# Altium PCB PWM_Controller_Full_Bridge_TL494.PcbDoc
Units mm, origin at the board's own origin, x right, y up, seen from the top; angles counter-clockwise.
Board outline 90 x 70 mm, 2 copper layers (Top Layer, Bottom Layer), stack 1.071 mm thick; 165 components, 72 nets, 394 pads, 70 vias.
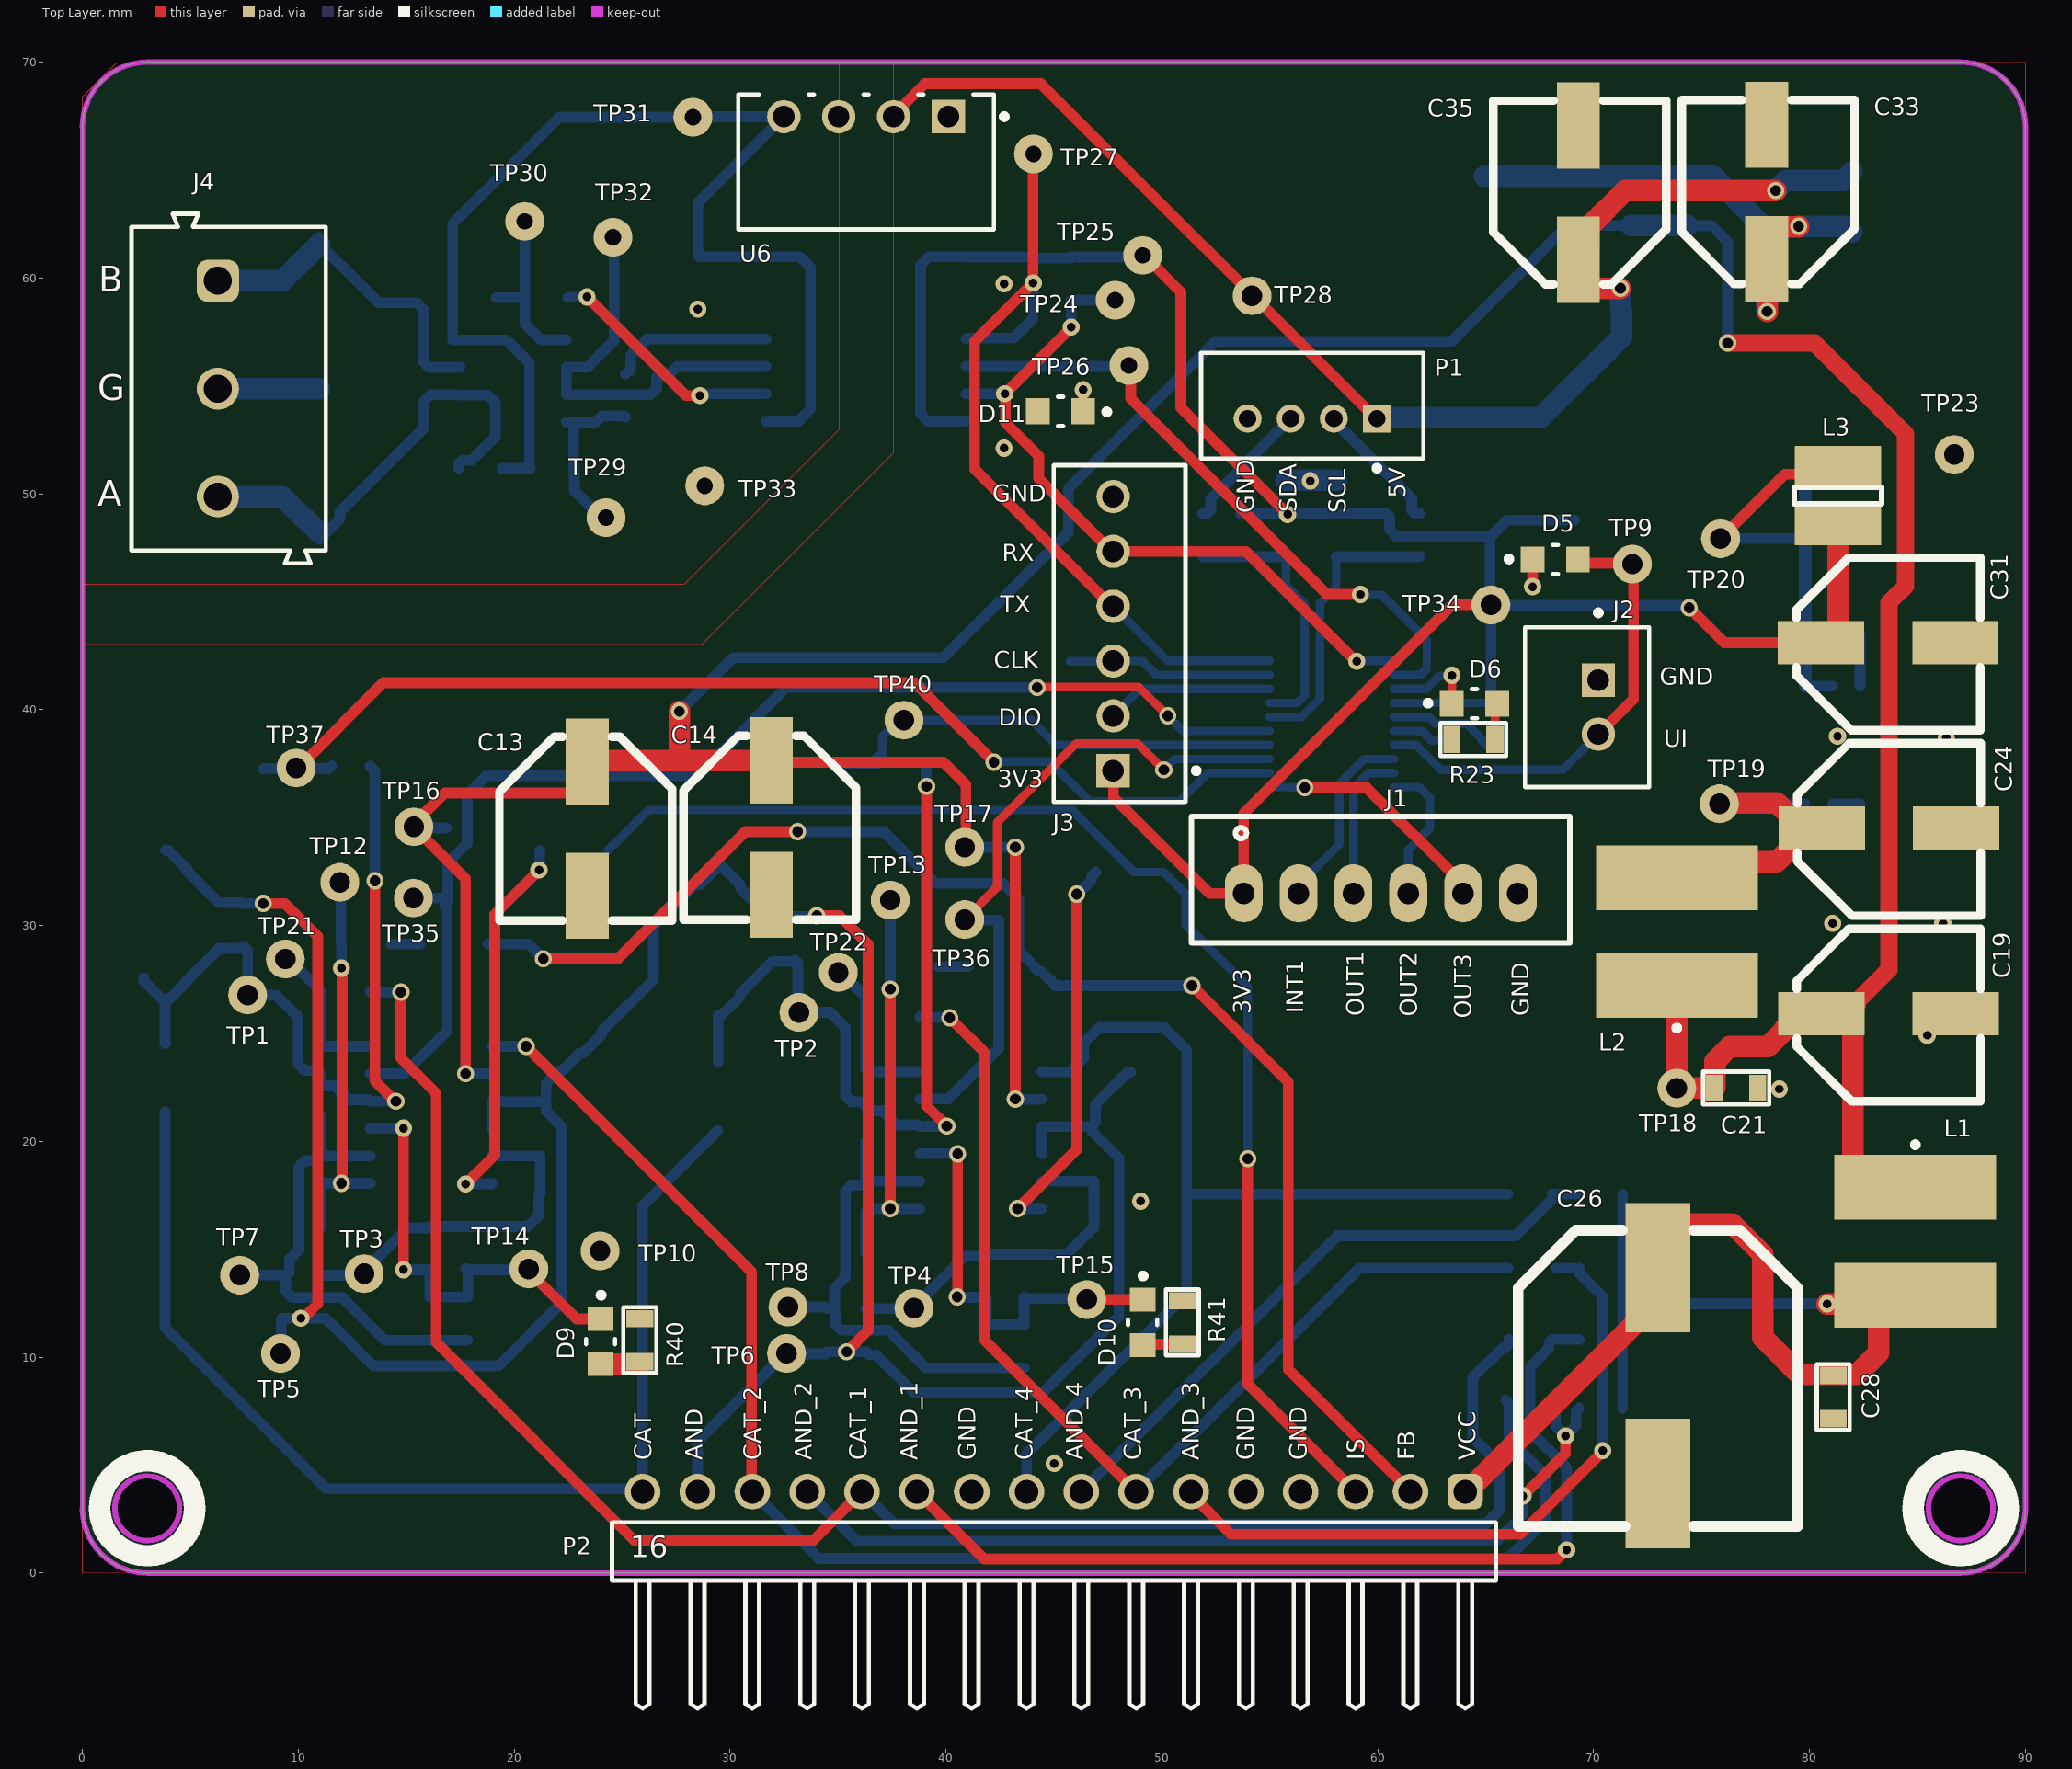
[diagram p0: Top Layer view]
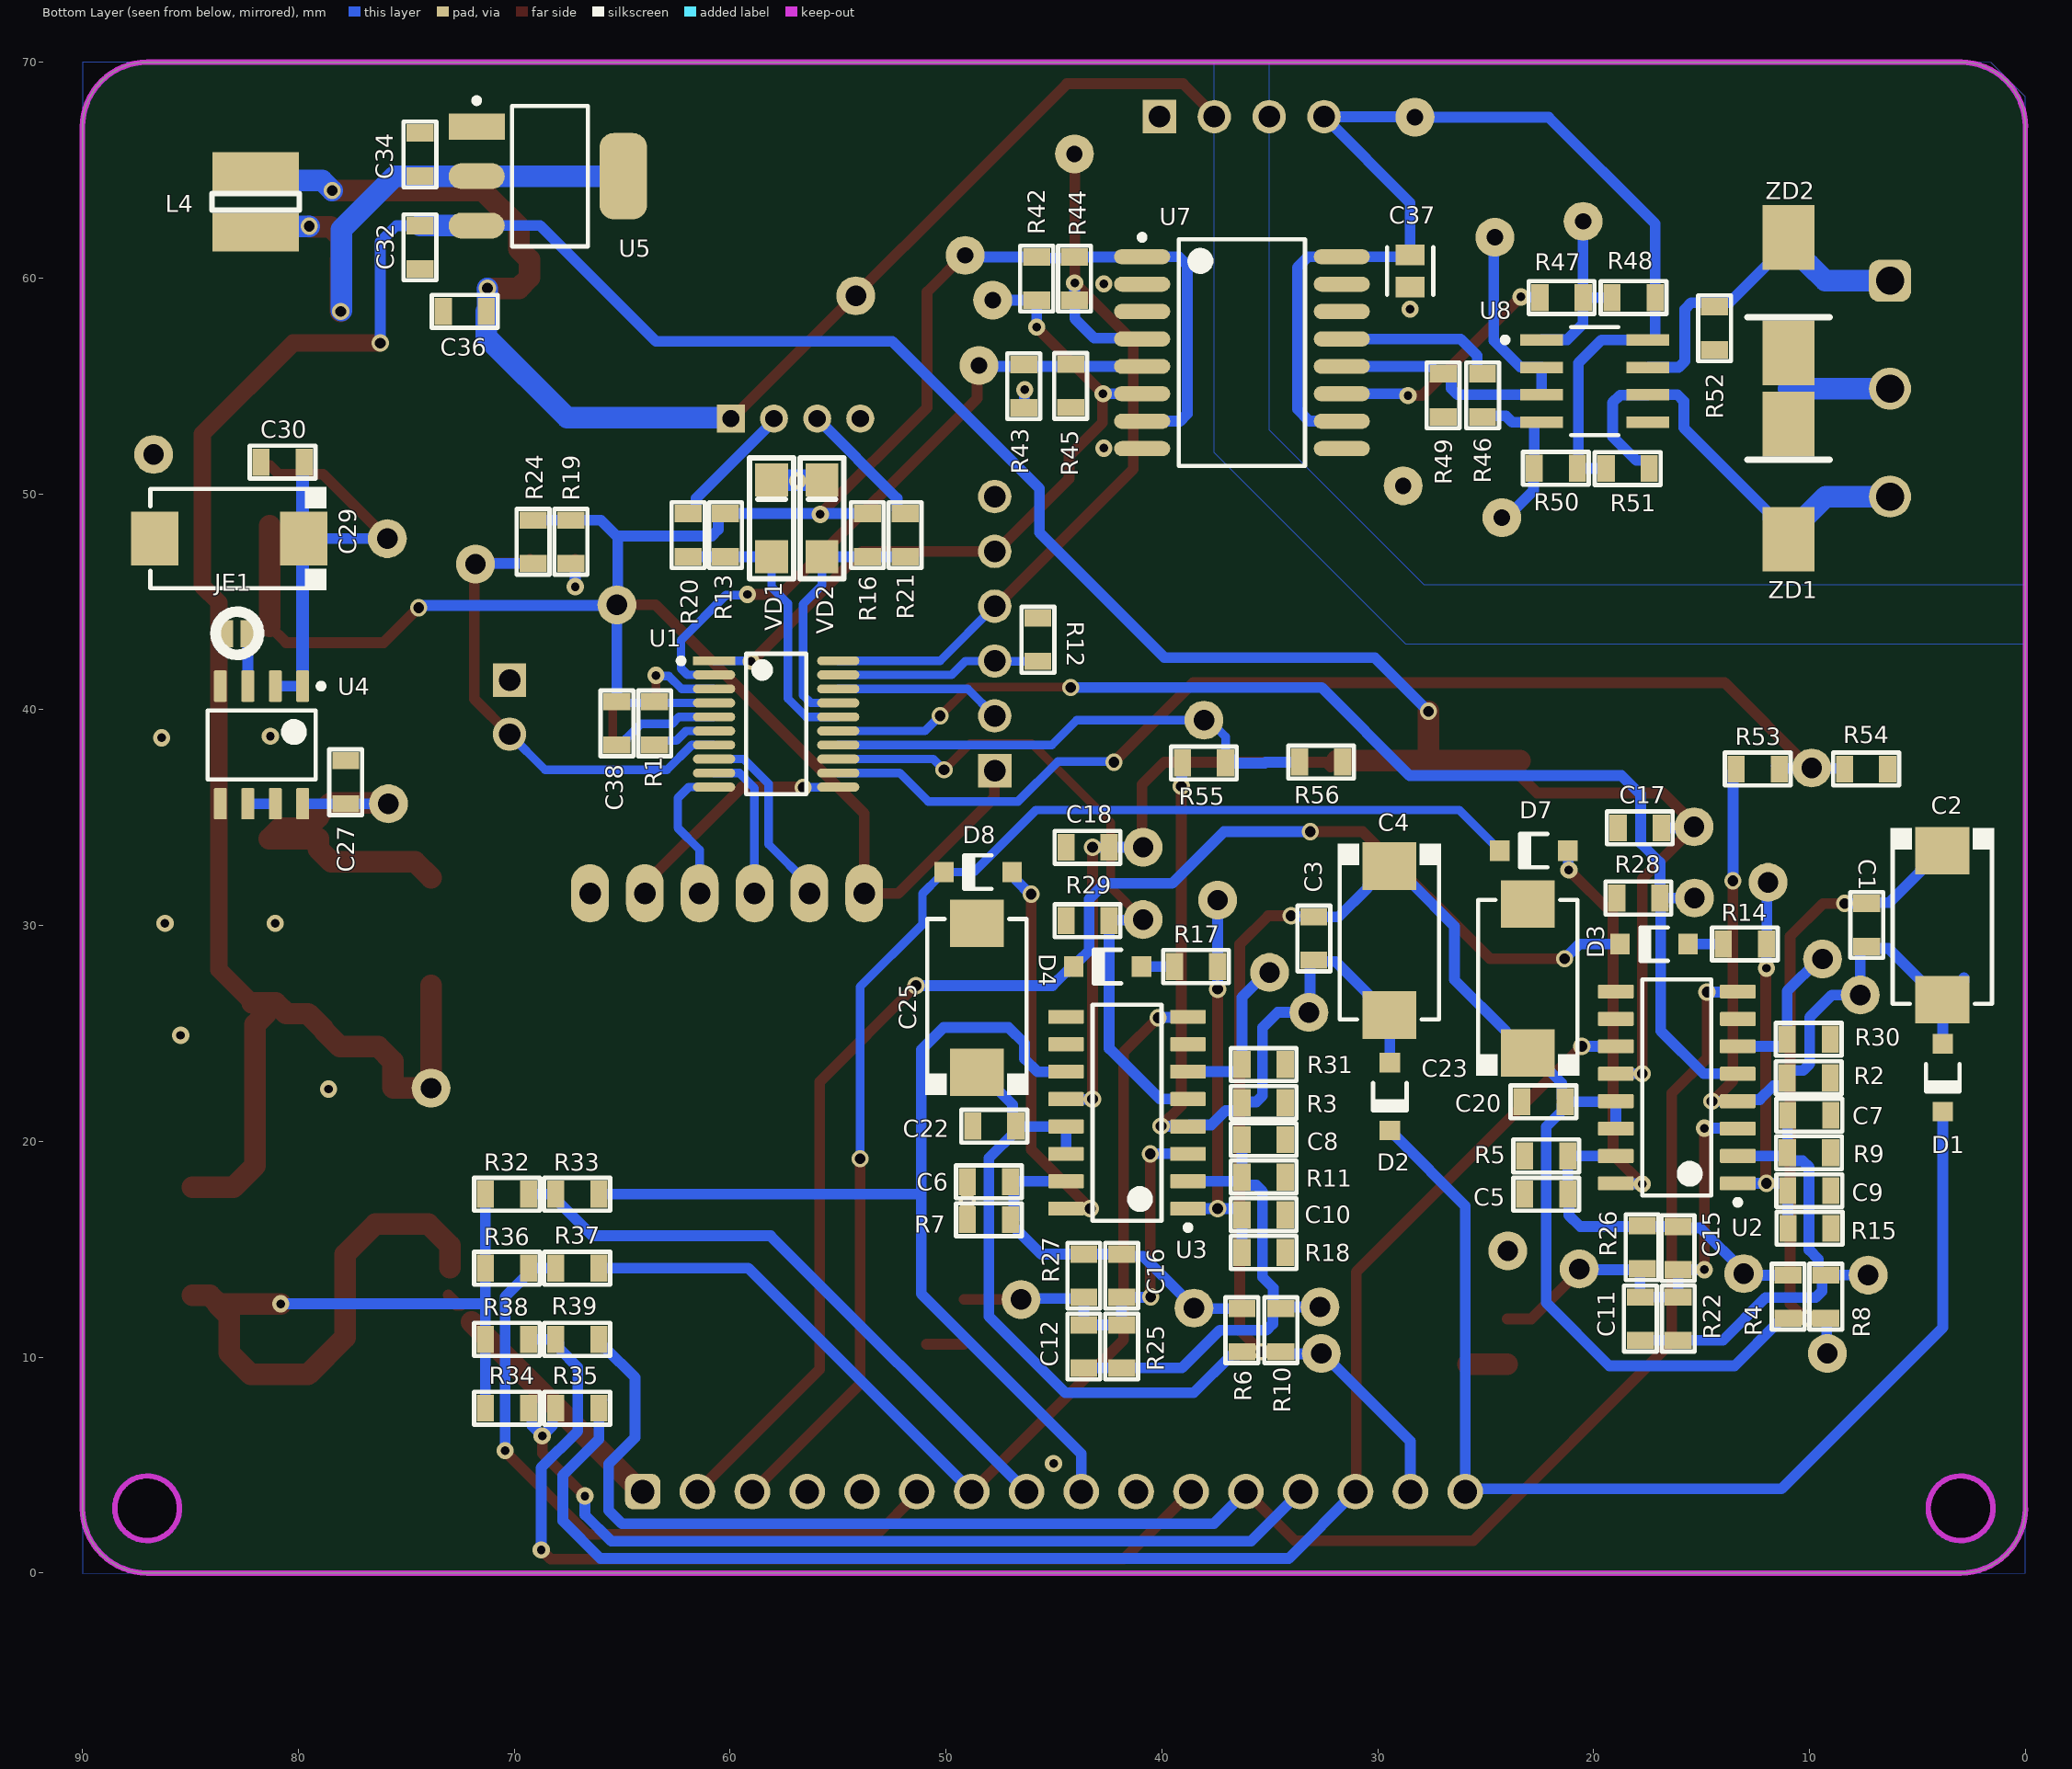
[diagram p1: Bottom Layer view, seen from below]
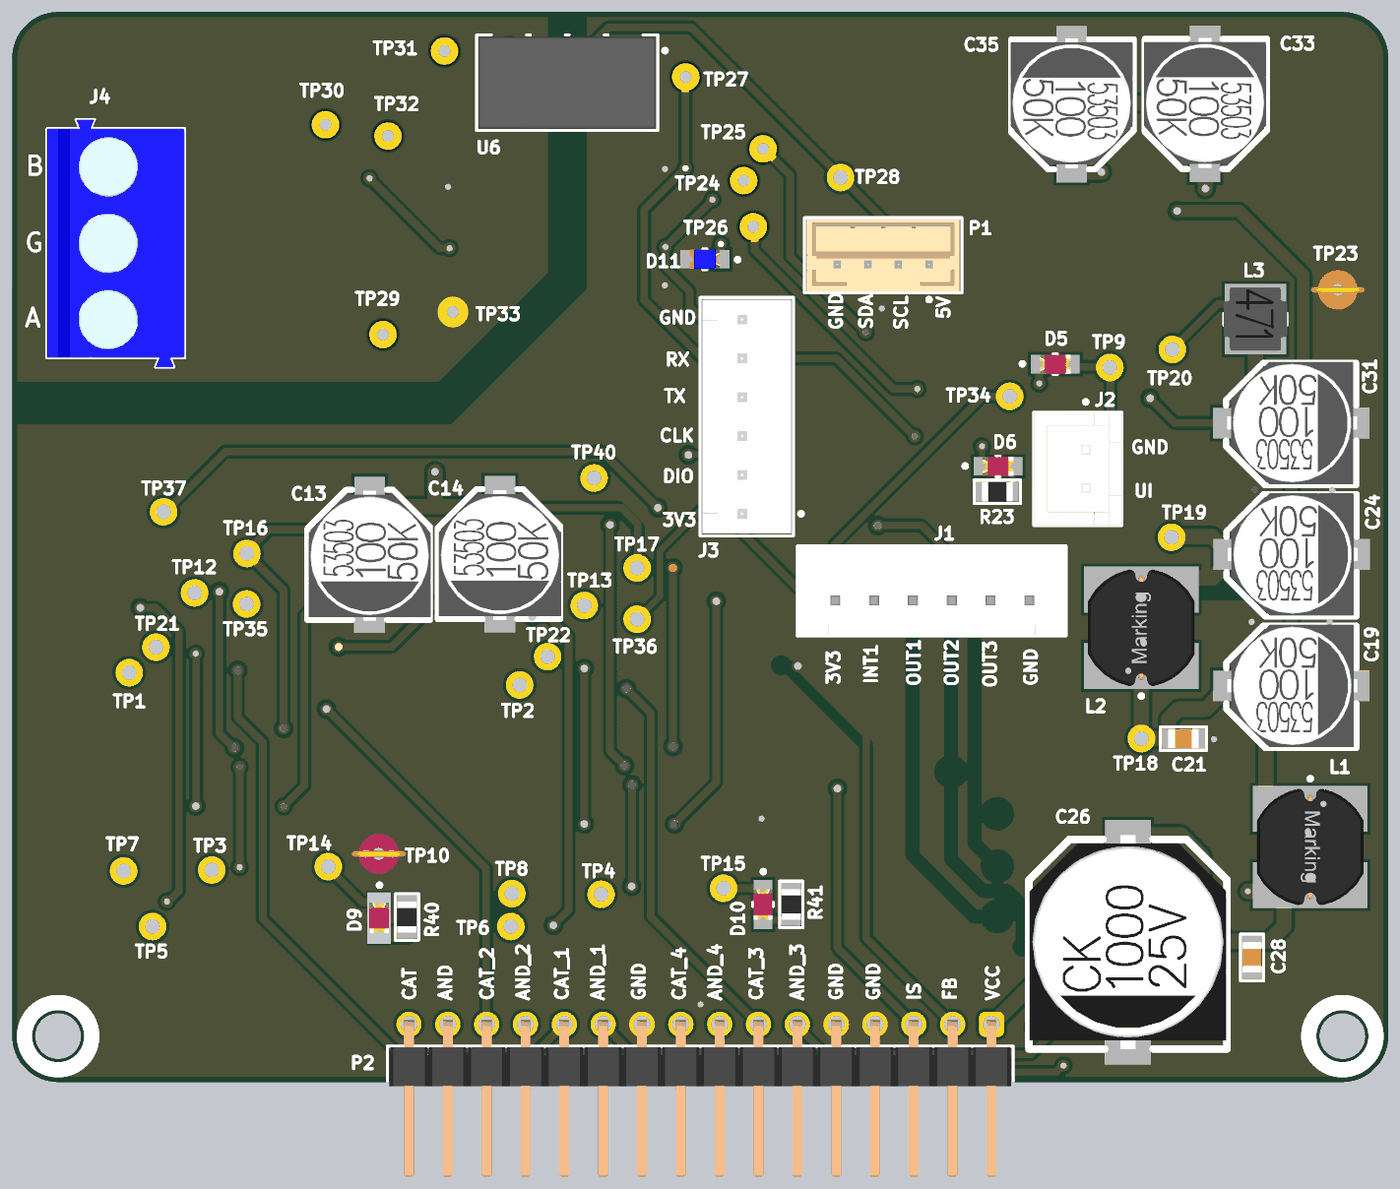
[diagram p2: 3D render of the assembled board from above, using the file's embedded part models]
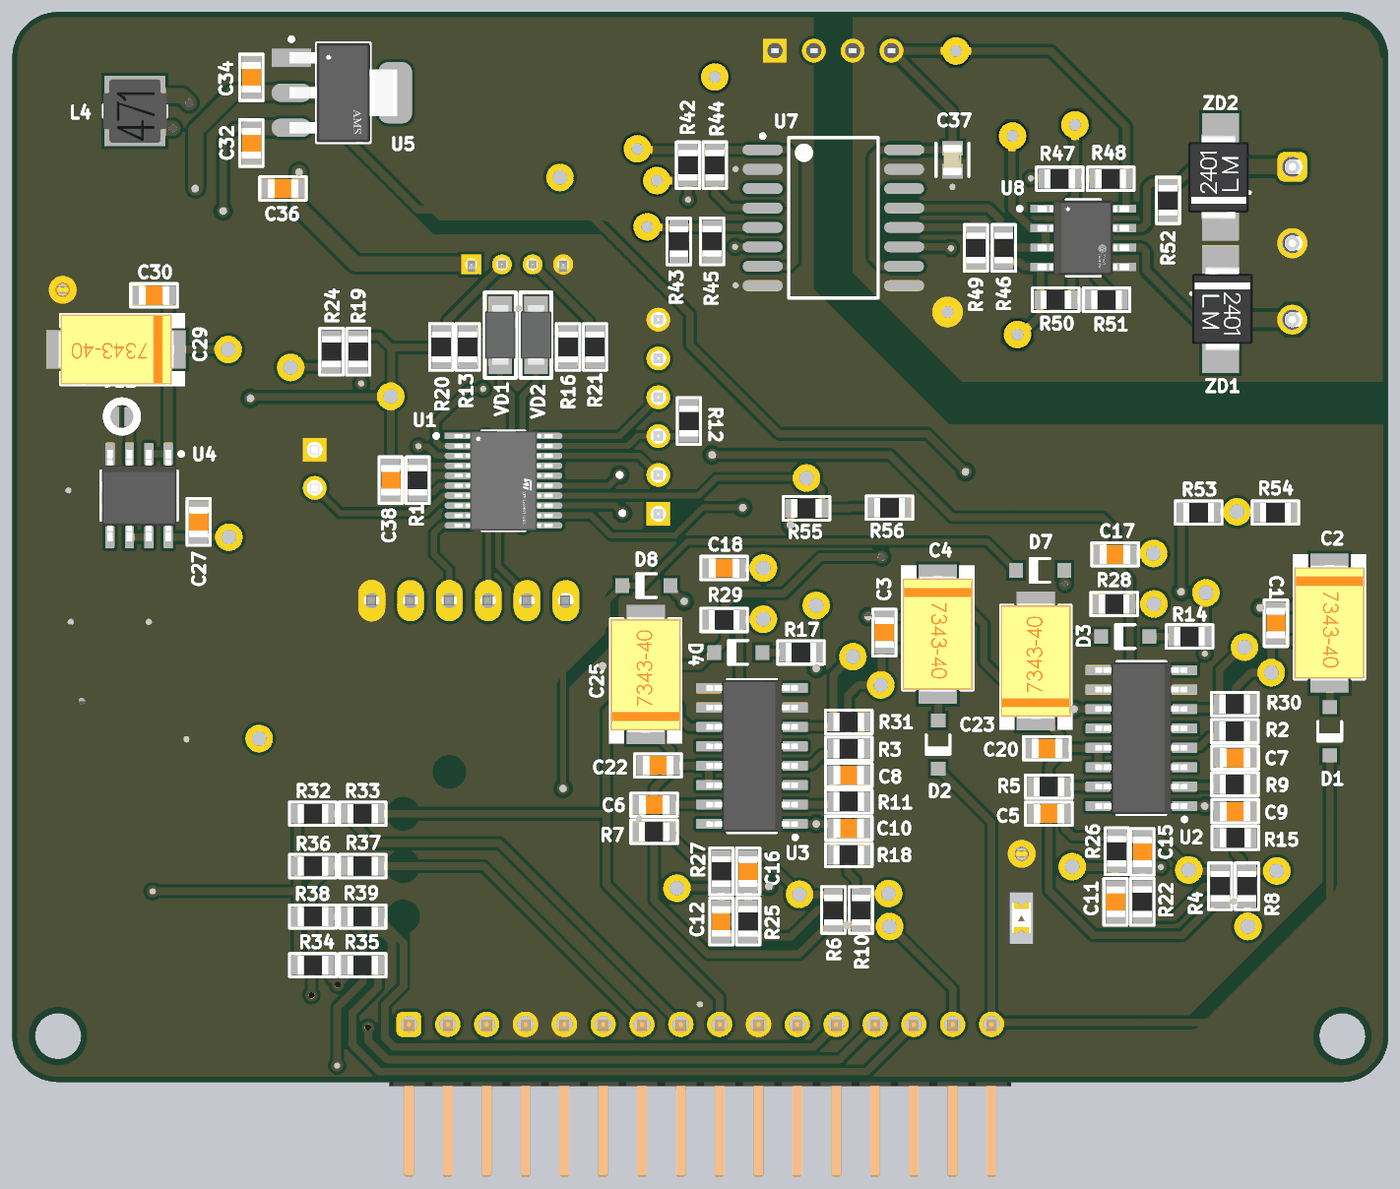
[diagram p3: 3D render of the assembled board from below, using the file's embedded part models]

## Layer stack, top to bottom
Top Solder: solder mask 0.0102, Solder Resist, Dk 3.5
Top Layer: signal copper 0.0356
Dielectric 1: dielectric 1, FR-4, Dk 4.8
Bottom Layer: signal copper 0.0356
Bottom Solder: solder mask 0.0102, Solder Resist, Dk 3.5

## Board outline
0,3 0.006,67 0,67 cw(c3,67) 3,70 87,70 cw(c87,67) 90,67 90,3.05 90,3 cw(c87,3) 87,0 2.999,0 3,0 cw(c3,3)
cut-out: 85.5,3 ccw(c87,3) 87,1.5 ccw(c87,3) 88.5,3 ccw(c87,3) 87,4.5 ccw(c87,3)
cut-out: 1.5,3 ccw(c3,3) 3,1.5 ccw(c3,3) 4.5,3 ccw(c3,3) 3,4.5 ccw(c3,3)

## Design rules (kind name [scope] priority, off if disabled: settings)
Clearance [All] p1: gap=0.2 ignorepadtopadclearanceinfootprint=FALSE except(0.4: Fill-Fill Fill-Poly Fill-Region Fill-Text Fill-Hole Poly-Poly Poly-Region Poly-Text Poly-Hole Region-Region Region-Text Region-Hole)
ComponentClearance [All] p1: gap=-3 collisioncheckmode=3 verticalgap=0.254 showdistances=FALSE
DiffPairsRouting [All] p1: maxlimit=0.254 minlimit=0.254 mostfreqgap=0.254 substack1={A23D90DD-733B-49C5-8102-56B3D284E3A0} toplayer_{a23d90dd-733b-49c5-8102-56b3d284e3a0}_minwidth=0.381 toplayer_{a23d90dd-733b-49c5-8102-56b3d284e3a0}_maxwidth=0.381 toplayer_{a23d90dd-733b-49c5-8102-56b3d284e3a0}_prefwidth=0.381 bottomlayer_{a23d90dd-733b-49c5-8102-56b3d284e3a0}_minwidth=0.381 bottomlayer_{a23d90dd-733b-49c5-8102-56b3d284e3a0}_maxwidth=0.381 bottomlayer_{a23d90dd-733b-49c5-8102-56b3d284e3a0}_prefwidth=0.381 toplayer_minwidth=0.381 toplayer_maxwidth=0.381 toplayer_prefwidth=0.381 bottomlayer_minwidth=0.381 bottomlayer_maxwidth=0.381 bottomlayer_prefwidth=0.381 substack2={0B3DB408-A969-412D-8C07-BA8AE97219D9} toplayer_{0b3db408-a969-412d-8c07-ba8ae97219d9}_minwidth=0.381 toplayer_{0b3db408-a969-412d-8c07-ba8ae97219d9}_maxwidth=0.381 toplayer_{0b3db408-a969-412d-8c07-ba8ae97219d9}_prefwidth=0.381 bottomlayer_{0b3db408-a969-412d-8c07-ba8ae97219d9}_minwidth=0.381 bottomlayer_{0b3db408-a969-412d-8c07-ba8ae97219d9}_maxwidth=0.381 bottomlayer_{0b3db408-a969-412d-8c07-ba8ae97219d9}_prefwidth=0.381 substack3={378827E6-B38F-4565-9D2F-710D8D441C30} toplayer_{378827e6-b38f-4565-9d2f-710d8d441c30}_minwidth=0.381 toplayer_{378827e6-b38f-4565-9d2f-710d8d441c30}_maxwidth=0.381 toplayer_{378827e6-b38f-4565-9d2f-710d8d441c30}_prefwidth=0.381 bottomlayer_{378827e6-b38f-4565-9d2f-710d8d441c30}_minwidth=0.381 bottomlayer_{378827e6-b38f-4565-9d2f-710d8d441c30}_maxwidth=0.381 bottomlayer_{378827e6-b38f-4565-9d2f-710d8d441c30}_prefwidth=0.381 substack4={1E65D4A7-266F-4925-B814-5E9C4A66F8EE} toplayer_{1e65d4a7-266f-4925-b814-5e9c4a66f8ee}_minwidth=0.381 toplayer_{1e65d4a7-266f-4925-b814-5e9c4a66f8ee}_maxwidth=0.381 toplayer_{1e65d4a7-266f-4925-b814-5e9c4a66f8ee}_prefwidth=0.381 bottomlayer_{1e65d4a7-266f-4925-b814-5e9c4a66f8ee}_minwidth=0.381 bottomlayer_{1e65d4a7-266f-4925-b814-5e9c4a66f8ee}_maxwidth=0.381 bottomlayer_{1e65d4a7-266f-4925-b814-5e9c4a66f8ee}_prefwidth=0.381 substack5={93C5D03E-862D-45F8-9871-970EEA9B3F11} toplayer_{93c5d03e-862d-45f8-9871-970eea9b3f11}_minwidth=0.381 toplayer_{93c5d03e-862d-45f8-9871-970eea9b3f11}_maxwidth=0.381 toplayer_{93c5d03e-862d-45f8-9871-970eea9b3f11}_prefwidth=0.381 bottomlayer_{93c5d03e-862d-45f8-9871-970eea9b3f11}_minwidth=0.381 bottomlayer_{93c5d03e-862d-45f8-9871-970eea9b3f11}_maxwidth=0.381 bottomlayer_{93c5d03e-862d-45f8-9871-970eea9b3f11}_prefwidth=0.381 maxuncoupledlength=12.7
Height [All] p1: minheight=0 maxheight=50 prefheight=33
HoleSize [All] p1: absolutevalues=TRUE maxlimit=6 minlimit=0.01 maxpercent=80.000 minpercent=20.000
HoleToHoleClearance [All] p1: gap=0.1 allowstackedmicrovias=TRUE
MinimumSolderMaskSliver [All] p1: minsoldermaskwidth=0.1
PlaneClearance [All] p1: clearance=0.7
PlaneConnect [All] p1: planeconnectstyle=Direct reliefexpansion=0.5 reliefentries=4 reliefconductorwidth=0.5 reliefairgap=0.15
PolygonConnect VQFN20 [HasFootprint('VQFN20')] p1: connectstyle=Direct reliefconductorwidth=0.254 reliefentries=4 polygonreliefangle="90 Angle" airgapwidth=0.254
PolygonConnect [All] p2: connectstyle=Direct reliefconductorwidth=0.3 reliefentries=4 polygonreliefangle="90 Angle" airgapwidth=0.15
RoutingVias [All] p1: holewidth=0.1 width=0.1 viastyle="Through Hole" minholewidth=0 minwidth=0.3 maxholewidth=2 maxwidth=4
ShortCircuit [All] p1: allowed=TRUE
SilkToSolderMaskClearance [IsPad] p1: minsilkscreentomaskgap=0.1 clearancetoexposedcopper=TRUE
SolderMaskExpansion SolderMaskExpansion_Via [IsVia] p1: expansion=0.102 istentingtop=TRUE useseparateexpansions=TRUE expansionbottom=0.102 istentingbottom=TRUE
SolderMaskExpansion [All] p2: expansion=0.01 istentingtop=FALSE
UnRoutedNet [All] p1: checkbadconnections=TRUE
Width [All] p1: maxlimit=5 minlimit=0.2 preferedwidth=0.3 substack1={A23D90DD-733B-49C5-8102-56B3D284E3A0} substack2={0B3DB408-A969-412D-8C07-BA8AE97219D9} substack3={378827E6-B38F-4565-9D2F-710D8D441C30} substack4={1E65D4A7-266F-4925-B814-5E9C4A66F8EE} substack5={93C5D03E-862D-45F8-9871-970EEA9B3F11}
19 further rules are at their usual default settings.

## Components (designator, comment, footprint, x,y, rotation, side; value= is the part's Value field where it differs from the comment)
C1 "CAP-NON-POLAR" CAP-0805 7.35,30.022 r90 bottom
C2 "CAP-POLAR" CAP-TAN-D 3.85,30.022 r270 bottom
C3 "CAP-NON-POLAR" CAP-0805 32.965,29.4 r90 bottom
C4 "CAP-POLAR" CAP-TAN-D 29.465,29.3 r270 bottom
C5 "CAP-NON-POLAR" CAP-0805 22.2,17.553 r180 bottom
C6 "CAP-NON-POLAR" CAP-0805 48.015,18.128 r180 bottom
C7 "CAP-NON-POLAR" CAP-0805 10.013,21.21 r0 bottom
C8 "CAP-NON-POLAR" CAP-0805 35.29,20.08 r0 bottom
C9 "CAP-NON-POLAR" CAP-0805 10.013,17.716 r0 bottom
C10 "CAP-NON-POLAR" CAP-0805 35.29,16.604 r0 bottom
C11 "2.2nF 16V" CAP-0805 17.837,11.787 r270 bottom
C12 "2.2nF 16V" CAP-0805 43.615,10.5 r270 bottom
C13 "CAP-POLAR" CAP_SMD_Size_E 23.375,34.425 r90 top
C14 "CAP-POLAR" CAP_SMD_Size_E 31.9,34.47 r90 top
C15 "2.2nF 16V" CAP-0805 16.09,15.055 r90 bottom
C16 "2.2nF 16V" CAP-0805 41.865,13.775 r90 bottom
C17 "0.1uF" CAP-0805 17.867,34.522 r180 bottom
C18 "0.1uF" CAP-0805 43.44,33.625 r180 bottom
C19 "CAP-POLAR" CAP_SMD_Size_E 83.727,25.916 r180 top
C20 "0.1uF" CAP-0805 22.325,21.835 r180 bottom
C21 "0.1uF" CAP-0805 76.602,22.466 r180 top
C22 "0.1uF" CAP-0805 47.763,20.705 r180 bottom
C23 "CAP-POLAR" CAP-TAN-D 23.05,27.542 r90 bottom
C24 "CAP-POLAR" CAP_SMD_Size_E 83.741,34.516 r180 top
C25 "CAP-POLAR" CAP-TAN-D 48.565,26.65 r90 bottom
C26 "25V_1000uF" CAP_SMD_SIZE_H 72.975,9.15 r90 top
C27 "0.1uF" CAP-0805 77.802,36.641 r270 bottom
C28 "0.1uF" CAP-0805 81.1,8.15 r90 top
C29 "CAP-POLAR" CAP-TAN-D 83.202,47.926 r0 bottom
C30 "0.1uF" CAP-0805 80.727,51.466 r180 bottom
C31 "CAP-POLAR" CAP_SMD_Size_E 83.71,43.109 r180 top
C32 "0.1uF" CAP-0805 74.366,61.425 r90 bottom
C33 "CAP-POLAR" CAP_SMD_Size_E 78.016,64.05 r270 top
C34 "0.1uF" CAP-0805 74.366,65.725 r270 bottom
C35 "CAP-POLAR" CAP_SMD_Size_E 69.291,64.025 r270 top
C36 "0.1uF" CAP-0805 72.291,58.455 r180 bottom
C37 "C0805C224K5RACTU" FP-C0805C-DN-MFG 28.5,60.325 r270 bottom value="0.22 μF"
C38 "0.1uF" CAP-0805 65.242,39.369 r90 bottom
D1 "1N4148W-7-F" DIOD-SOD123-2_V 3.825,22.947 r270 bottom
D2 "1N4148W-7-F" DIOD-SOD123-2_V 29.44,22.075 r270 bottom
D3 "1N4148W-7-F" DIOD-SOD123-2_V 17.202,29.139 r0 bottom
D4 "1N4148W-7-F" DIOD-SOD123-2_V 42.515,28.1 r0 bottom
D5 "151031YS06000" LED_RED 68.224,46.957 r0 top
D6 "151031YS06000" LED_RED 64.48,40.278 r0 top
D7 "1N4148W" DIOD-SOD123-2_V 22.775,33.472 r0 bottom
D8 "1N4148W" DIOD-SOD123-2_V 48.515,32.475 r0 bottom
D9 "RED" LED_RED 24,10.725 r270 top
D10 "RED" LED_RED 49.104,11.614 r270 top
D11 "LED" LED_BLUE 45.3,53.825 r180 top
J1 "B6B-XH-TW" B6B-XH-TW 60.14,32.124 r0 top
J2 "B2B-XH-A" B2B-XH-A 69.692,40.116 r270 top
J3 "SWR25X-NRTC-S06-ST-BA" Sullins_SWR25X-NRTC-S06-ST-BA_MFG 48.042,43.524 r90 top
J4 "" 691101710003 6.775,54.875 r270 top
JE1 "Jumper" JE 82.827,43.541 r270 bottom
L1 "47µH, 1.17A" WE-PD2_7850 84.9,15.375 r270 top
L2 "1000µH, 0.3A" WE-PD2_7850 73.852,29.716 r90 top
L3 "Coil" Coil_4.5x4.5_mm 81.316,49.916 r270 top
L4 "Coil" Coil_4.5x4.5_mm 81.975,63.525 r90 bottom
P1 "62000411622" 62000411622 56.967,54.089 r0 top
P2 "61301611021" 61301611021 45,1 r0 top locked
R1 "10K" RES-0805 63.492,39.369 r270 bottom
R2 "10K" RES-0805 10.036,22.947 r180 bottom
R3 "10K" RES-0805 35.29,21.8 r180 bottom
R4 "2K**" RES-0805 10.993,12.805 r90 bottom
R5 "2K" RES-0805 22.2,19.323 r0 bottom
R6 "2K**" RES-0805 36.29,11.25 r90 bottom
R7 "2K" RES-0805 48.015,16.372 r0 bottom
R8 "10K**" RES-0805 9.243,12.805 r90 bottom
R9 "2K" RES-0805 10.025,19.472 r180 bottom
R10 "10K**" RES-0805 34.49,11.25 r90 bottom
R11 "2K" RES-0805 35.29,18.35 r180 bottom
R12 "10K" RES-0805 45.742,43.239 r90 bottom
R13 "10K" RES-0805 60.213,48.089 r90 bottom
R14 "2K" RES-0805 13,29.148 r180 bottom
R15 "2K" RES-0805 10,15.972 r180 bottom
R16 "10K" RES-0805 53.642,48.089 r90 bottom
R17 "2K" RES-0805 38.415,28.1 r180 bottom
R18 "2K" RES-0805 35.29,14.85 r180 bottom
R19 "220" RES-0805 67.374,47.782 r90 bottom
R20 "10E" RES-0805 61.942,48.089 r90 bottom
R21 "10E" RES-0805 51.892,48.089 r90 bottom
R22 "1M" RES-0805 16.084,11.787 r90 bottom
R23 "220" RES-0805 64.43,38.614 r180 top
R24 "10K" RES-0805 69.124,47.782 r270 bottom
R25 "1M" RES-0805 41.865,10.5 r90 bottom
R26 "1M" RES-0805 17.75,15.097 r270 bottom
R27 "1M" RES-0805 43.615,13.775 r270 bottom
R28 "10K" RES-0805 17.928,31.272 r0 bottom
R29 "10K" RES-0805 43.44,30.225 r0 bottom
R30 "10K" RES-0805 10.036,24.727 r180 bottom
R31 "10K" RES-0805 35.29,23.555 r180 bottom
R32 "3K" RES-0805 70.335,17.551 r0 bottom
R33 "1K" RES-0805 67.08,17.551 r0 bottom
R34 "3K" RES-0805 70.335,7.64 r0 bottom
R35 "1K" RES-0805 67.08,7.64 r0 bottom
R36 "3K" RES-0805 70.335,14.121 r0 bottom
R37 "1K" RES-0805 67.08,14.121 r0 bottom
R38 "3K" RES-0805 70.335,10.826 r0 bottom
R39 "1K" RES-0805 67.08,10.826 r0 bottom
R40 "330" RES-0805 25.82,10.788 r270 top
R41 "330" RES-0805 50.95,11.614 r270 top
R42 "10K" RES-0805 45.8,59.975 r90 bottom
R43 "220" RES-0805 46.4,54.986 r90 bottom
R44 "10K" RES-0805 44.05,59.975 r90 bottom
R45 "10K" RES-0805 44.225,55 r90 bottom
R46 "100" RES-0805 25.148,54.564 r90 bottom
R47 "100" RES-0805 21.49,59.093 r0 bottom
R48 "10K" RES-0805 18.15,59.093 r180 bottom
R49 "10K" RES-0805 26.975,54.564 r90 bottom
R50 "10K" RES-0805 21.75,51.181 r180 bottom
R51 "10K" RES-0805 18.425,51.175 r0 bottom
R52 "10K" RES-0805 14.4,57.675 r90 bottom
R53 "4.7K" RES-0805 12.4,37.25 r0 bottom
R54 "1K" RES-0805 7.379,37.25 r0 bottom
R55 "4.7K" RES-0805 38.051,37.528 r0 bottom
R56 "1K" RES-0805 32.622,37.57 r0 bottom
TP1 "" Test_Point#1 7.65,26.781 r90 top
TP2 "" Test_Point#1 33.19,25.975 r90 top
TP3 "" Test_Point#1 13.05,13.871 r90 top
TP4 "" Test_Point#1 38.515,12.275 r90 top
TP5 "" Test_Point#1 9.175,10.172 r90 top
TP6 "" Test_Point#1 32.615,10.172 r90 top
TP7 "" Test_Point#1 7.286,13.805 r90 top
TP8 "" Test_Point#1 32.677,12.325 r90 top
TP9 "Test_Point_PCB" Test_Point#1 71.792,46.748 r0 top
TP10 "Test_Point_PCB" Pin_Test_Point(Pink) 23.975,14.925 r90 top
TP12 "" Test_Point#1 11.925,32 r90 top
TP13 "" Test_Point#1 37.415,31.175 r180 top
TP14 "" Test_Point#1 20.67,14.088 r90 top
TP15 "" Test_Point#1 46.525,12.674 r180 top
TP16 "" Test_Point#1 15.349,34.575 r90 top
TP17 "" Test_Point#1 40.872,33.625 r180 top
TP18 "Test_Point_PCB" Test_Point#1 73.852,22.466 r180 top
TP19 "Test_Point_PCB" Test_Point#1 75.827,35.641 r180 top
TP20 "Test_Point_PCB" Test_Point#1 75.877,47.926 r180 top
TP21 "" Test_Point#1 9.4,28.447 r90 top
TP22 "" Test_Point#1 35.015,27.825 r180 top
TP23 "Test_Point_PCB" Pin_Test_Point(Orange) 86.7,51.825 r90 top
TP24 "Test_Point_PCB" Test_Point#2 47.839,58.975 r90 top
TP25 "" Test_Point#2 49.111,61.05 r90 top
TP26 "Test_Point_PCB" Test_Point#2 48.475,55.95 r90 top
TP27 "Test_Point_PCB" Test_Point#2 44.05,65.75 r90 top
TP28 "Test_Point_PCB" Test_Point#1 54.175,59.175 r90 top
TP29 "Test_Point_PCB" Test_Point#2 24.25,48.9 r90 top
TP30 "" Test_Point#2 20.49,62.625 r90 top
TP31 "Test_Point_PCB" Test_Point#2 28.275,67.45 r90 top
TP32 "Test_Point_PCB" Test_Point#2 24.575,61.886 r90 top
TP33 "Test_Point_PCB" Test_Point#2 28.825,50.375 r90 top
TP34 "" Test_Point#1 65.242,44.857 r90 top
TP35 "Test_Point_PCB" Test_Point#1 15.328,31.272 r180 top
TP36 "Test_Point_PCB" Test_Point#1 40.872,30.275 r180 top
TP37 "Test_Point_PCB" Test_Point#1 9.9,37.3 r0 top
TP40 "Test_Point_PCB" Test_Point#1 38.051,39.516 r0 top
U1 "STM32G030F6P6" FP-TSSOP20-YA-IPC_A 57.867,39.339 r180 bottom
U2 "TL494" SOIC-16-M 16.15,22.497 r0 bottom
U3 "TL494" SOIC-16-M 41.615,21.325 r0 bottom
U4 "LP2951ACM-3.3" D0008A_N 81.702,38.366 r270 bottom
U5 "AMS1117" SOT-223 68.345,64.719 r270 bottom
U6 "B0505S-1W" B0505S-1W 36.3,65.375 r180 top
U7 "ADUM1401BRWZ" ADI-RW-16_M 36.292,56.541 r180 bottom
U8 "MAX485" SOIC-8-MFG 19.95,55.225 r180 bottom
VD1 "SMF3.3A" SMF3.3A 58.079,48.864 r180 bottom
VD2 "SMF3.3A" SMF3.3A 55.742,48.864 r180 bottom
ZD1 "P6SMB16CA" DO-214AA 10.975,52.85 r270 bottom
ZD2 "P6SMB16CA" DO-214AA 10.975,56.922 r90 bottom
